# Altium PCB CM4 to FMC Adapter r2.0.PcbDoc (part 2 of 3)
Units mm, origin at the board's own origin, x right, y up, seen from the top; angles counter-clockwise.
Board outline 85 x 84 mm, 4 copper layers (Top Layer, Int1 (GND), Int2 (PWR), Bottom Layer), stack 1.564 mm thick; 141 components, 131 nets, 748 pads, 674 vias.
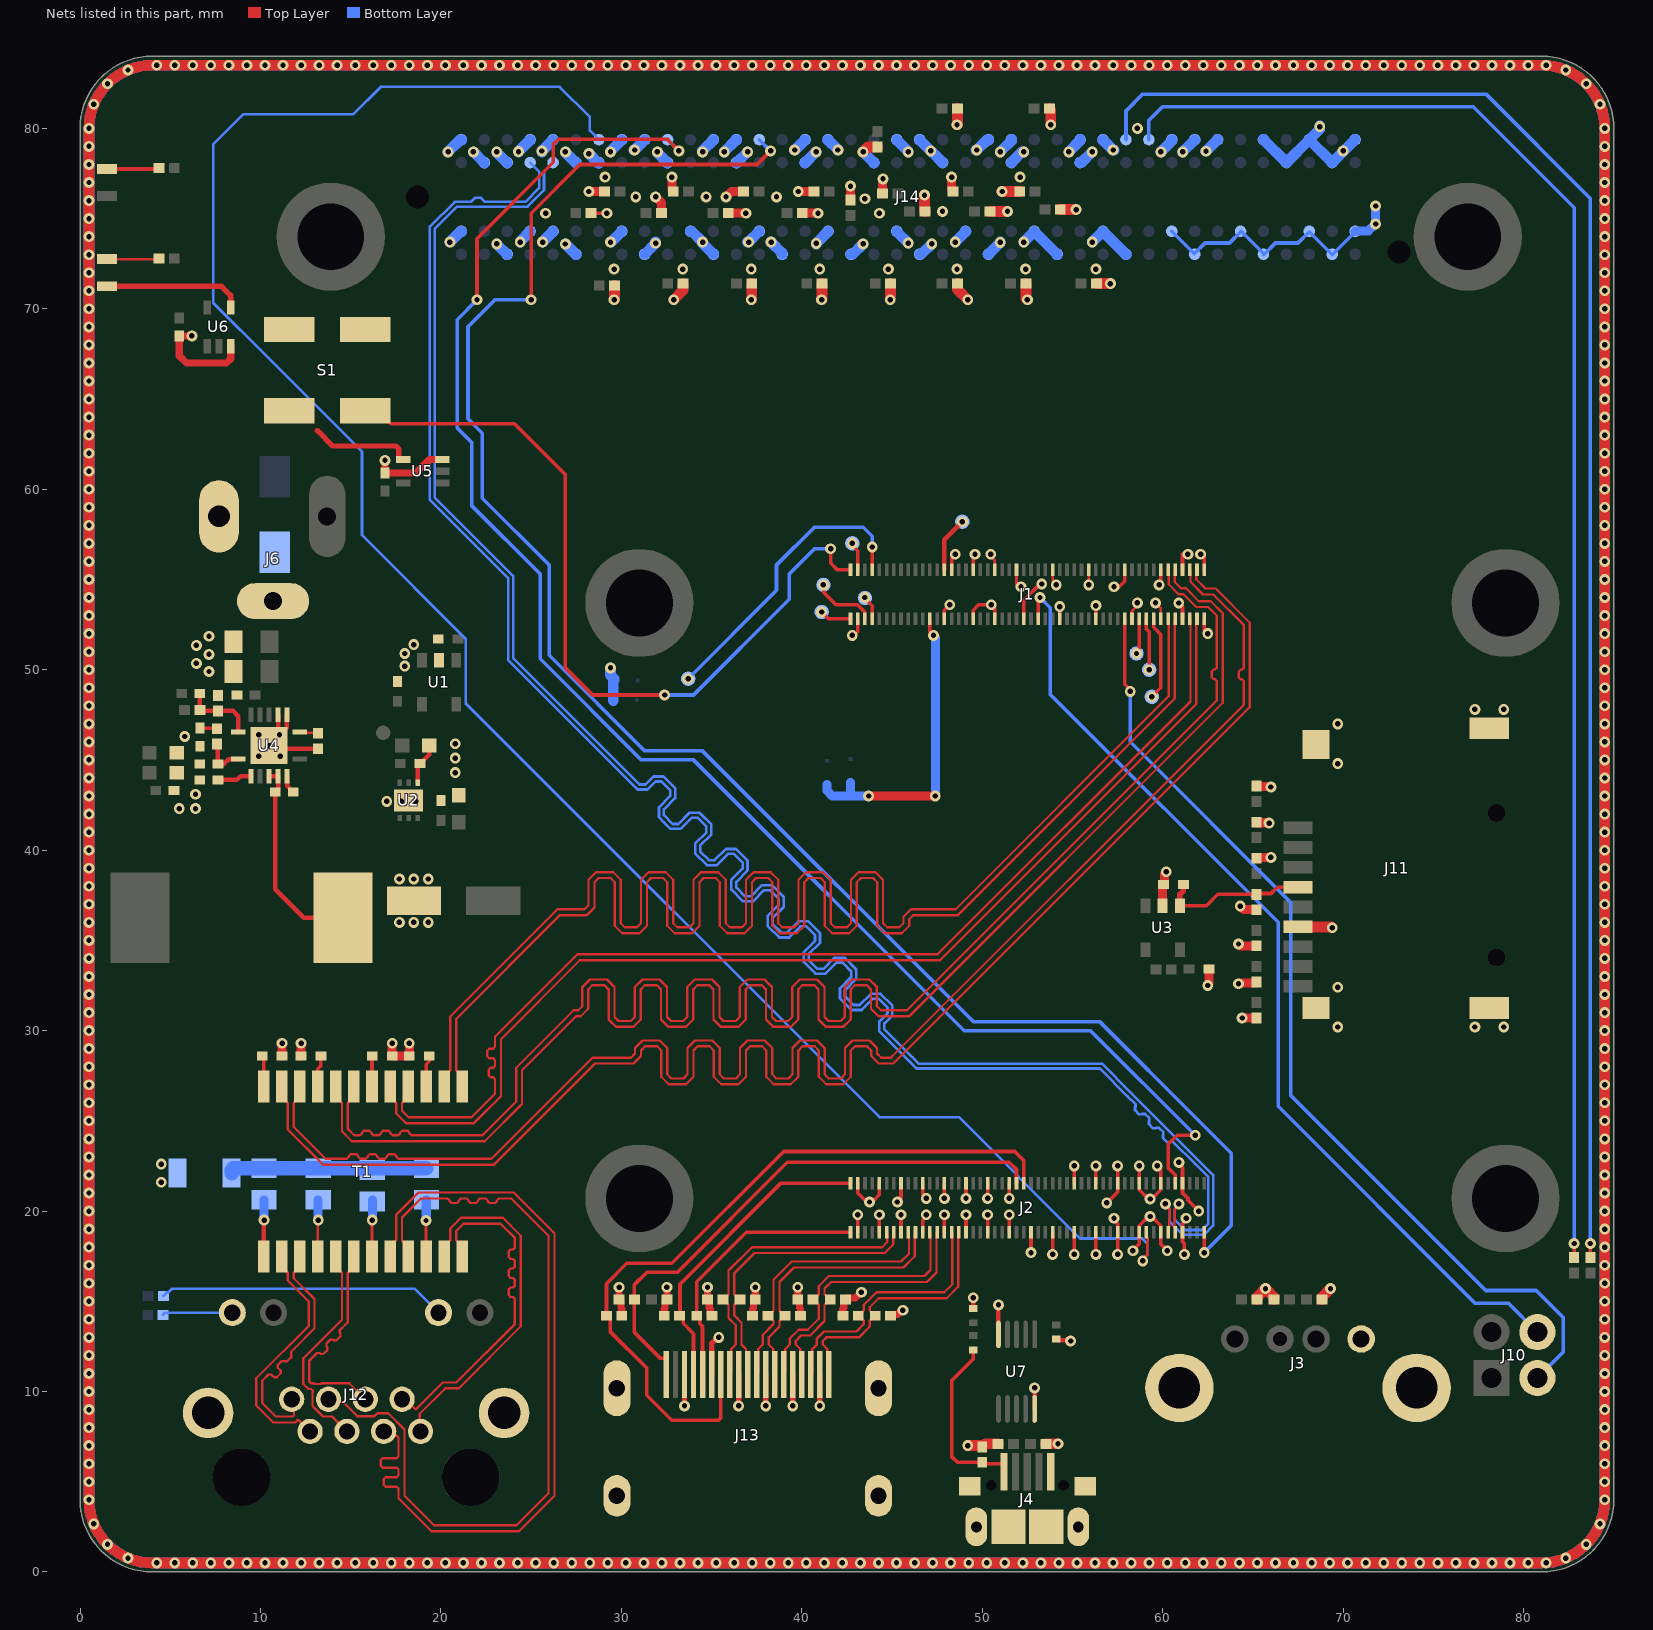
[diagram p4: the nets of this part, all layers, seen from the top]

## Via types
v1: diameter 0.6, hole 0.3, Top Layer to Bottom Layer, tented both sides, 673 vias
v2: diameter 0.6, hole 0.3, Top Layer to Bottom Layer, 1 vias

## Nets (pads, with @x,y where several pads share a name; then routed paths per layer and width w, separated by ;. In a path a pad name is that pad's centre, name@x,y a point inside that pad or via, vN(x,y) a via of type N, cw(c..) or ccw(c..) an arc to the next point about the centre after c; other vN are vias at no path point) (continued)
ETHERNET_PAIR0_C_N: J12.2 T1.12 | length 19.8
  Top Layer w0.127: J12.2@17.85,9.57 18.03,9.57 18.6,9 20.1,10.5 20.855,10.5 24.1,13.745 24.1,15.069 24.1,15.132 23.995,15.238 23.862,15.238 23.756,15.343 23.756,15.659 23.862,15.765 23.995,15.765 24.1,15.87 24.1,16.186 23.995,16.292 23.862,16.292 23.756,16.397 23.756,16.713 23.862,16.819 23.995,16.819 24.1,16.924 24.1,17.24 23.995,17.346 23.862,17.346 23.756,17.451 23.756,17.767 23.862,17.873 23.995,17.873 24.1,17.978 24.1,18.2 24.1,18.5 23.3,19.3 21.245,19.3 20.845,18.9 20.845,18.375 20.92,18.301 20.925,18.301 21.182,18.045 T1.12@21.182,17.475
ETHERNET_PAIR0_C_P: J12.1 T1.11 | length 19.9
  Top Layer w0.127: J12.1@18.87,7.79 18.831,7.829 18.831,8.769 20.235,10.173 20.99,10.173 24.427,13.61 24.427,18.635 23.435,19.627 21.11,19.627 20.518,19.035 20.518,18.375 20.444,18.301 20.438,18.301 20.182,18.045 T1.11@20.182,17.475
ETHERNET_PAIR0_N: J1.10 T1.13 | length 87.3
  Top Layer w0.127: T1.13@21.182,26.895 21.182,27.465 20.925,27.721 20.92,27.721 20.845,27.795 20.845,30.645 26.6,36.4 27.8,36.4 28.095,36.4 28.512,36.817 28.512,38.226 28.737,38.452 29.413,38.452 29.639,38.226 29.639,35.813 30.056,35.396 31.003,35.396 31.42,35.813 31.42,38.226 31.645,38.452 32.321,38.452 32.547,38.226 32.547,35.813 32.964,35.396 33.911,35.396 34.328,35.813 34.328,38.226 34.553,38.452 35.229,38.452 35.455,38.226 35.455,35.813 35.872,35.396 36.819,35.396 37.236,35.813 37.236,38.226 37.461,38.452 38.137,38.452 38.363,38.226 38.363,35.813 38.78,35.396 39.727,35.396 40.144,35.813 40.144,38.226 40.369,38.452 41.045,38.452 41.271,38.226 41.271,35.813 41.688,35.396 42.635,35.396 43.052,35.813 43.052,38.226 43.277,38.452 43.953,38.452 44.179,38.226 44.179,35.813 44.596,35.396 45.543,35.396 45.96,35.813 45.96,36.175 46.185,36.4 47.1,36.4 48.662,36.4 60.663,48.401 60.663,52.784 J1.10@60.7,52.82
ETHERNET_PAIR0_P: J1.12 T1.14 | length 87.3
  Top Layer w0.127: T1.14@20.182,26.895 20.182,27.465 20.438,27.721 20.444,27.721 20.518,27.795 20.518,30.781 26.465,36.727 27.8,36.727 27.959,36.727 28.185,36.952 28.185,38.362 28.602,38.779 29.549,38.779 29.966,38.362 29.966,35.948 30.191,35.723 30.867,35.723 31.093,35.948 31.093,38.362 31.51,38.779 32.457,38.779 32.874,38.362 32.874,35.948 33.099,35.723 33.775,35.723 34.001,35.948 34.001,38.362 34.418,38.779 35.365,38.779 35.782,38.362 35.782,35.948 36.007,35.723 36.683,35.723 36.909,35.948 36.909,38.362 37.326,38.779 38.273,38.779 38.69,38.362 38.69,35.948 38.915,35.723 39.591,35.723 39.817,35.948 39.817,38.362 40.234,38.779 41.181,38.779 41.598,38.362 41.598,35.948 41.823,35.723 42.499,35.723 42.725,35.948 42.725,38.362 43.142,38.779 44.089,38.779 44.506,38.362 44.506,35.948 44.731,35.723 45.407,35.723 45.633,35.948 45.633,36.31 46.05,36.727 47.1,36.727 48.527,36.727 60.336,48.536 60.336,52.784 J1.12@60.3,52.82
ETHERNET_PAIR1_C_N: J12.6 T1.9 | length 44.9
  Top Layer w0.127: J12.6@13.77,9.57 13.926,9.414 14.586,9.414 15.364,8.636 16.319,8.636 16.483,8.8 17.079,8.8 17.98,7.9 17.98,4.22 19.614,2.586 24.191,2.586 25.963,4.359 25.963,18.637 23.9,20.7 23.282,20.7 23.219,20.7 23.114,20.595 23.114,20.555 23.008,20.45 22.692,20.45 22.587,20.555 22.587,20.595 22.481,20.7 22.165,20.7 22.06,20.595 22.06,20.555 21.954,20.45 21.638,20.45 21.533,20.555 21.533,20.595 21.427,20.7 21.111,20.7 21.006,20.595 21.006,20.555 20.9,20.45 20.584,20.45 20.479,20.555 20.479,20.595 20.373,20.7 19.5,20.7 18.9,20.7 17.845,19.645 17.845,18.375 17.92,18.301 17.925,18.301 18.182,18.045 T1.9@18.182,17.475
ETHERNET_PAIR1_C_P: J12.3 T1.8 | length 44.9
  Top Layer w0.127: J12.3@16.83,7.79 17.074,7.546 17.564,7.546 17.653,7.458 17.653,7 17.653,6.409 17.547,6.304 16.771,6.304 16.665,6.199 16.665,5.882 16.771,5.777 17.547,5.777 17.653,5.672 17.653,5.355 17.547,5.25 16.938,5.25 16.833,5.145 16.833,4.828 16.938,4.723 17.547,4.723 17.653,4.618 17.653,4.421 17.653,4.085 19.478,2.259 24.326,2.259 26.29,4.224 26.29,18.772 24.035,21.027 18.765,21.027 17.518,19.781 17.518,18.375 17.444,18.301 17.438,18.301 17.182,18.045 T1.8@17.182,17.475
ETHERNET_PAIR1_N: J1.6 T1.16 | length 62.4
  Top Layer w0.127: T1.16@18.182,26.895 18.182,26.325 17.925,26.068 17.92,26.068 17.845,25.994 17.845,25.555 18.2,25.2 21.7,25.2 23,26.5 23,26.675 23,27.308 22.895,27.414 22.753,27.414 22.647,27.519 22.647,27.835 22.753,27.941 22.895,27.941 23,28.046 23,28.362 22.895,28.468 22.669,28.468 22.564,28.573 22.564,28.889 22.669,28.995 22.895,28.995 23,29.1 23,29.662 23.028,29.691 27.565,34.227 47.527,34.227 61.536,48.236 61.536,52.784 J1.6@61.5,52.82
ETHERNET_PAIR1_P: J1.4 T1.17 | length 62.4
  Top Layer w0.127: T1.17@17.182,26.895 17.182,26.325 17.438,26.068 17.444,26.068 17.518,25.994 17.518,25.419 17.969,24.969 18.065,24.873 21.835,24.873 23.327,26.365 23.327,29.527 27.7,33.9 47.662,33.9 61.863,48.101 61.863,52.461 61.863,52.784 J1.4@61.9,52.82
ETHERNET_PAIR2_C_N: J12.5 T1.5 | length 12.1
  Top Layer w0.127: T1.5@14.182,17.475 14.182,16.905 14.438,16.648 14.444,16.648 14.518,16.574 14.518,13.981 12.373,11.835 12.373,10.419 12.659,10.134 12.82,10.134 12.895,10.059 12.895,9.954 12.879,9.939 12.879,9.201 13.463,8.617 13.963,8.617 J12.5@14.79,7.79
ETHERNET_PAIR2_C_P: J12.4 T1.6 | length 12.1
  Top Layer w0.127: T1.6@15.182,17.475 15.182,16.905 14.925,16.648 14.92,16.648 14.845,16.574 14.845,13.845 14.7,13.7 14.402,13.402 14.402,13.253 14.44,13.214 14.44,13.065 14.217,12.842 14.068,12.842 14.029,12.88 13.88,12.88 13.656,12.656 13.656,12.507 13.709,12.455 13.709,12.306 13.485,12.082 13.336,12.082 13.284,12.135 13.135,12.135 12.717,11.717 12.7,11.7 12.7,10.555 12.794,10.46 12.956,10.46 12.999,10.417 13.358,10.417 13.401,10.46 14.92,10.46 J12.4@15.81,9.57
ETHERNET_PAIR2_N: J1.9 T1.20 | length 93.8
  Top Layer w0.127: T1.20@14.182,26.895 14.182,26.325 14.438,26.068 14.444,26.068 14.518,25.994 14.518,24.419 15.065,23.873 22.435,23.873 24.5,25.938 24.5,27.8 27.451,30.751 27.5,30.8 27.75,30.8 28.167,31.217 28.167,32.285 28.393,32.511 29.069,32.511 29.294,32.285 29.294,30.623 29.711,30.206 30.658,30.206 31.075,30.623 31.075,32.285 31.301,32.511 31.977,32.511 32.202,32.285 32.202,30.623 32.619,30.206 33.566,30.206 33.983,30.623 33.983,32.285 34.209,32.511 34.885,32.511 35.11,32.285 35.11,30.623 35.527,30.206 36.474,30.206 36.891,30.623 36.891,32.285 37.117,32.511 37.793,32.511 38.018,32.285 38.018,30.623 38.435,30.206 39.382,30.206 39.799,30.623 39.799,32.285 40.025,32.511 40.701,32.511 40.926,32.285 40.926,30.623 41.343,30.206 42.29,30.206 42.707,30.623 42.707,32.285 42.933,32.511 43.609,32.511 43.834,32.285 43.834,31.217 44.251,30.8 45.962,30.8 46,30.838 63.327,48.165 63.327,53.135 63.231,53.231 62.662,53.8 62,53.8 61.287,54.513 61.018,54.513 60.663,54.867 60.663,55.514 J1.9@60.7,55.55
ETHERNET_PAIR2_P: J1.11 T1.19 | length 93.8
  Top Layer w0.127: T1.19@15.182,26.895 15.182,26.325 14.925,26.068 14.92,26.068 14.845,25.994 14.845,24.555 15.2,24.2 15.364,24.2 15.52,24.2 15.626,24.305 15.626,24.345 15.731,24.45 16.047,24.45 16.153,24.345 16.153,24.305 16.258,24.2 16.574,24.2 16.68,24.305 16.68,24.345 16.785,24.45 17.101,24.45 17.207,24.345 17.207,24.305 17.312,24.2 17.628,24.2 17.734,24.305 17.734,24.345 17.839,24.45 18.155,24.45 18.261,24.345 18.261,24.305 18.366,24.2 18.957,24.2 22.3,24.2 24.173,26.073 24.173,27.935 27.365,31.127 27.451,31.127 27.615,31.127 27.84,31.352 27.84,32.421 28.257,32.838 29.204,32.838 29.621,32.421 29.621,30.758 29.847,30.533 30.523,30.533 30.748,30.758 30.748,32.421 31.165,32.838 32.112,32.838 32.529,32.421 32.529,30.758 32.755,30.533 33.431,30.533 33.656,30.758 33.656,32.421 34.073,32.838 35.02,32.838 35.437,32.421 35.437,30.758 35.663,30.533 36.339,30.533 36.564,30.758 36.564,32.421 36.981,32.838 37.928,32.838 38.345,32.421 38.345,30.758 38.571,30.533 39.247,30.533 39.472,30.758 39.472,32.421 39.889,32.838 40.836,32.838 41.253,32.421 41.253,30.758 41.479,30.533 42.155,30.533 42.38,30.758 42.38,32.421 42.797,32.838 43.744,32.838 44.161,32.421 44.161,31.352 44.387,31.127 45.827,31.127 46,31.3 63,48.3 63,49.312 63,49.376 62.895,49.481 62.82,49.481 62.714,49.586 62.714,49.903 62.82,50.008 62.895,50.008 63,50.113 63,51 63,53 62.527,53.473 61.865,53.473 61.469,53.869 61.152,54.186 60.883,54.186 60.336,54.732 60.336,55.514 J1.11@60.3,55.55
ETHERNET_PAIR3_C_N: J12.8 T1.3 | length 13.8
  Top Layer w0.127: J12.8@11.73,9.57 11.861,9.439 11.861,8.687 11.786,8.613 10.849,8.613 10.1,9.362 10.1,10.45 10.1,10.6 10.443,10.943 10.592,10.943 10.749,10.785 10.898,10.785 11.121,11.009 11.121,11.158 10.964,11.315 10.964,11.464 11.188,11.688 11.337,11.688 11.341,11.684 11.49,11.684 11.714,11.907 11.714,12.056 11.71,12.06 11.71,12.21 11.9,12.4 13,13.5 13,15.127 11.845,16.282 11.845,16.574 11.92,16.648 11.925,16.648 12.182,16.905 T1.3@12.182,17.475
ETHERNET_PAIR3_C_P: J12.7 T1.2 | length 13.7
  Top Layer w0.127: T1.2@11.182,17.475 11.182,16.905 11.438,16.648 11.444,16.648 11.518,16.574 11.518,16.146 12.673,14.992 12.673,13.635 9.773,10.735 9.773,9.227 10.714,8.286 11.922,8.286 12.035,8.4 12.14,8.4 J12.7@12.75,7.79
ETHERNET_PAIR3_N: J1.5 T1.22 | length 91.3
  Top Layer w0.127: T1.22@12.182,26.895 12.182,26.325 11.925,26.068 11.92,26.068 11.845,25.994 11.845,24.655 13.6,22.9 14.2,22.9 14.792,22.9 14.898,23.005 14.898,23.045 15.003,23.15 15.319,23.15 15.425,23.045 15.425,23.005 15.53,22.9 15.846,22.9 15.952,23.005 15.952,23.045 16.057,23.15 16.373,23.15 16.479,23.045 16.479,23.005 16.584,22.9 16.9,22.9 17.006,23.005 17.006,23.045 17.111,23.15 17.427,23.15 17.533,23.045 17.533,23.005 17.638,22.9 18.228,22.9 22.8,22.9 28.4,28.5 30.375,28.5 30.534,28.5 30.76,28.725 30.76,29.039 31.177,29.456 32.124,29.456 32.541,29.039 32.541,27.577 32.766,27.352 33.442,27.352 33.668,27.577 33.668,29.039 34.085,29.456 35.032,29.456 35.449,29.039 35.449,27.577 35.674,27.352 36.35,27.352 36.576,27.577 36.576,29.039 36.993,29.456 37.94,29.456 38.357,29.039 38.357,27.577 38.582,27.352 39.258,27.352 39.484,27.577 39.484,29.039 39.901,29.456 40.848,29.456 41.265,29.039 41.265,27.577 41.49,27.352 42.166,27.352 42.392,27.577 42.392,29.039 42.809,29.456 43.756,29.456 44.173,29.039 44.173,28.725 44.398,28.5 44.938,28.5 45.014,28.576 64.5,48.062 64.5,49.3 64.5,49.364 64.395,49.469 64.32,49.469 64.214,49.574 64.214,49.891 64.32,49.996 64.395,49.996 64.5,50.101 64.5,52 64.5,52.473 62.8,54.173 62.237,54.173 61.536,54.874 61.536,55.514 J1.5@61.5,55.55
ETHERNET_PAIR3_P: J1.3 T1.23 | length 91.3
  Top Layer w0.127: T1.23@11.182,26.895 11.182,26.325 11.438,26.068 11.444,26.068 11.518,25.994 11.518,24.519 13.465,22.573 22.935,22.573 28.535,28.173 30.375,28.173 30.67,28.173 31.087,28.59 31.087,28.903 31.312,29.129 31.988,29.129 32.214,28.903 32.214,27.442 32.631,27.025 33.578,27.025 33.995,27.442 33.995,28.903 34.22,29.129 34.896,29.129 35.122,28.903 35.122,27.442 35.539,27.025 36.486,27.025 36.903,27.442 36.903,28.903 37.128,29.129 37.804,29.129 38.03,28.903 38.03,27.442 38.447,27.025 39.394,27.025 39.811,27.442 39.811,28.903 40.036,29.129 40.712,29.129 40.938,28.903 40.938,27.442 41.355,27.025 42.302,27.025 42.719,27.442 42.719,28.903 42.944,29.129 43.62,29.129 43.846,28.903 43.846,28.59 44.263,28.173 45.014,28.173 45.073,28.173 64.827,47.927 64.827,52.608 62.935,54.5 62.373,54.5 61.863,55.01 61.863,55.191 61.863,55.514 J1.3@61.9,55.55
GLOBAL_EN: J1.99 S1.3 S1.4 | length 44.8
  Top Layer w0.2: S1.4@15.8,64.35 16.5,64.35 17.1,63.75 17.1,63.742 17.217,63.625 24.075,63.625 26.9,60.8 26.9,50.1 28.4,48.6 v1(32.4,48.6) ; v1(41.6,56.7) 41.6,55.9 41.95,55.55 J1.99@42.7,55.55
  Bottom Layer w0.2: v1(32.4,48.6) 34,48.6 39.3,53.9 39.3,55.3 40.7,56.7 v1(41.6,56.7)
GND: C1.2 C2.1 C3.1 C4.1 C5.1 C6.1 C7.1 C8.2 C9.2 C10.2 C11.1 C12.1 C14.1 C16.2 C17.1 C18.1 C19.2 C20.2 C21.2 C22.2 C23.1 C24.2 C25.1 C26.1 C27.1 C28.2 D2.2 D3.2 D4.2 D5.2 D6.2 D7.2 D8.2 D9.2 D10.2 D11.2 D12.1 D13.2 D14.2 D15.2 D16.2 D17.2 D18.2 D19.2 D20.2 D22.2 D23.2 D24.2 D25.2 D26.2 D27.2 D28.2 D29.2 D30.2 D31.2 D32.2 D33.2 D34.2 D35.2 D36.2 D37.2 D38.2 D39.2 D40.2 D41.2 D42.2 D43.2 D44.2 D45.2 D46.2 D47.2 D48.2 D49.2 D50.2 D51.2 D52.2 D53.2 D54.2 D55.2 J1.1 J1.2 J1.7 J1.8 J1.13 J1.14 J1.22 J1.23 J1.32 J1.33 J1.42 J1.43 J1.52 J1.53 J1.59 J1.60 J1.65 J1.66 J1.71 J1.74 J1.98 J2.107 J2.108 J2.113 J2.114 J2.119 J2.120 J2.125 J2.126 J2.131 J2.132 J2.137 J2.138 J2.144 J2.150 J2.155 J2.156 J2.161 J2.162 J2.167 J2.168 J2.173 J2.174 J2.179 J2.180 J2.185 J2.186 J2.191 J2.192 J2.197 J2.198 J3.1 J3.2 J3.6 J4.5 J4.6 J4.7 J4.8 J4.9 J4.10 J4.11 J6.2 J6.3 J11.6 J11.10 J11.11 J11.12 J11.13 J12.SHD J13.2 J13.5 J13.8 J13.11 J13.14 J13.17 J13.MT J14.C1 J14.C4 J14.C5 J14.C8 J14.C9 J14.C12 J14.C13 J14.C16 J14.C17 J14.C20 J14.C21 J14.C24 J14.C25 J14.C28 J14.C29 J14.C32 J14.C33 J14.C34 J14.C36 J14.C38 J14.C40 J14.D2 J14.D3 J14.D6 J14.D7 J14.D10 J14.D13 J14.D16 J14.D19 J14.D22 J14.D25 J14.D28 J14.D37 J14.D39 J14.G1 J14.G4 J14.G5 J14.G8 J14.G11 J14.G14 J14.G17 J14.G20 J14.G23 J14.G26 J14.G29 J14.G32 J14.G35 J14.G38 J14.G40 J14.H3 J14.H6 J14.H9 J14.H12 J14.H15 J14.H18 J14.H21 J14.H24 J14.H27 J14.H30 J14.H33 J14.H36 J14.H39 R6.1 R8.1 R17.1 SJ2.2 SJ4.2 U1.2 U2.1 U2.7 U3.2 U4.2 U4.3 U4.Exp U5.3 U6.3 U7.5 U7.10 | length 1223.1
  Top Layer w0.15: U4.2@11.475,47.5 U4.2@11.479,47.496 ; v1@50.302,56.402 v1(50.47,56.402) 50.47,56.28 50.7,56.05 J1.59@50.7,55.55 ; v1@51.9,54.7 J1.53@51.9,55.55 ; J1.43@53.9,55.55 53.9,54.95 53.9,54.9 v1(54.1,54.7) ; v1(55.9,54.7) J1.33@55.9,55.55 ; J1.32@56.3,52.82 v2(56.3,53.55) v2@56.4,53.55 ; J1.22@58.3,52.82 58.3,53.25 58.6,53.55 v1(58.6,53.7) ; v1(59.6,53.7) 59.9,53.4 J1.14@59.9,52.82
  Top Layer w0.2: D33.2@28.325,75.3 v1(29.2,75.3) ; v1@42.9,51.9 43.1,52.1 J1.98@43.1,52.82 ; J2.198@43.1,18.82 v1(43.1,19.8) ; J2.197@43.1,21.55 43.1,21 43.6,20.5 v1(43.75,20.5) 43.9,20.5 44.3,20.9 J2.191@44.3,21.55 ; J2.192@44.3,18.82 v1(44.3,19.8) ; J2.186@45.5,18.82 v1(45.5,19.8) ; v1@45.5,20.7 J2.185@45.5,21.55 ; J2.180@46.7,18.82 46.7,19.492 46.9,19.692 v1(46.9,19.8) ; v1@46.7,20.9 J2.179@46.7,21.55 ; J1.74@47.9,52.82 47.9,53.3 v1(48.2,53.6) ; J2.174@47.9,18.82 v1(47.9,19.8) ; v1@47.9,20.8 J2.173@47.9,21.55 ; J1.71@48.3,55.55 48.3,56.2 v1(48.5,56.4) ; J2.168@49.1,18.82 v1(49.1,19.8) ; v1(49.1,20.7) J2.167@49.1,21.55 ; J1.66@49.5,52.82 49.5,53.3 49.797,53.597 v1@50.425,53.597 ; J1.65@49.5,55.55 49.5,56.3 v1(49.6,56.4) ; J2.162@50.3,18.82 v1(50.3,19.8) ; J2.161@50.3,21.55 50.3,20.75 v1@50.35,20.7 ; v1(50.5,53.6) 50.7,53.4 J1.60@50.7,52.82 ; J2.156@51.5,18.82 v1(51.5,19.8) ; v1(51.5,20.7) J2.155@51.5,21.55 ; J1.52@52.3,52.82 52.3,53.845 53.205,54.75 v1(53.3,54.75) ; v1(52.7,17.7) J2.150@52.7,18.82 ; v1(53.9,17.6) J2.144@53.9,18.82 ; v1@54.228,53.572 v1(54.3,53.5) J1.42@54.3,52.82 ; v1@55.1,17.7 J2.138@55.1,18.82 ; J2.137@55.1,21.55 v1(55.1,22.5) ; v1(56.3,17.6) J2.132@56.3,18.82 ; J2.131@56.3,21.55 v1(56.3,22.5) ; v1(56.9,20.45) 57.5,21.05 J2.125@57.5,21.55 v1(57.5,22.5) ; v1(57.3,19.6) 57.3,19.492 57.5,19.292 J2.126@57.5,18.82 v1(57.5,17.6) ; v1(57.3,54.6) 57.6,54.6 57.9,54.9 J1.23@57.9,55.55 ; v1(58.35,17.8) 58.35,17.82 58.7,18.17 J2.120@58.7,18.82 58.7,19.191 59.209,19.7 v1(59.3,19.7) 59.391,19.7 59.9,19.191 J2.114@59.9,18.82 59.9,18.17 60.25,17.82 v1(60.25,17.8) ; 58.7,21.179 v1@59.209,20.67 ; J2.119@58.7,21.55 v1(58.7,22.5) ; v1@59.391,20.67 59.9,21.179 J2.113@59.9,21.55 59.9,22.3 v1(59.7,22.5) ; v1(59.8,54.7) 59.9,54.8 J1.13@59.9,55.55 ; v1(60.895,53.695) 60.905,53.695 61.1,53.5 J1.8@61.1,52.82 ; v1(60.9,22.7) 60.9,22.592 61.1,22.392 J2.107@61.1,21.55 61.1,21 61.4,20.7 61.4,20.6 v1(62,20) ; J1.7@61.1,55.55 61.1,56.4 ; v1(61.2,17.6) 61.2,18.2 61.1,18.3 J2.108@61.1,18.82 61.1,19.292 v1@61.3,19.492 ; v1@62.3,52.1 J1.2@62.3,52.82 ; J1.1@62.3,55.55 v1@62.3,56.35
  Top Layer w0.25: U4.3@10.979,47.496 U4.Exp@10.979,46.296 ; U4.2@11.479,47.496 11.464,47.481 11.464,46.781 U4.Exp@10.979,46.296 ; R6.1@13.2,45.625 10.65,45.625 v1(10.479,45.796) U4.Exp@10.979,46.296 ; U2.1@18.709,43.731 18.709,44.659 C3.1@18.85,44.8 19.35,45.3 C26.1@19.35,45.8 ; R17.1@49.5,14.6 v1(49.5,15.2) ; U7.5@50.9,13.167 v1(50.9,14.8) ; U7.10@52.9,9.033 v1(52.9,10.2) ; C28.2@54.119,12.905 54.174,12.85 54.85,12.85 v1(54.9,12.8)
  Top Layer w0.3: v1(33.5,9.2) J13.17@33.5,10.95 ; J13.14@35,10.95 35,12.673 35.327,13 v1(35.4,13) ; v1(36.5,9.2) J13.11@36.5,10.95 ; v1(38,9.2) J13.8@38,10.95 ; v1(39.5,9.2) J13.5@39.5,10.95 ; v1(41,9.2) J13.2@41,10.95
  Top Layer w0.4: v1(6.2,68.5) C23.1@5.5,68.5 5.5,67.4 5.9,67 8.116,67 8.35,67.234 U6.3@8.35,67.925 ; v1(16.9,61.6) C11.1@16.9,60.9 18.6,60.9 19.35,61.65 U5.3@20.075,61.65 ; D18.2@29.875,15.1 v1(29.875,15.775) ; D18.2@29.975,15.025 29.975,14.625 30.025,14.575 30.025,14.275 30.1,14.2 D10.2@30.125,14.2 ; D11.2@32.275,14.2 32.3,14.2 32.375,14.275 32.375,14.575 32.425,14.625 D12.1@32.425,15.025 ; D12.1@32.525,15.1 v1(32.525,15.775) ; D50.2@34.775,15.1 v1(34.775,15.775) ; D50.2@34.875,15.025 34.875,14.625 34.925,14.575 34.925,14.275 35,14.2 D49.2@35.025,14.2 ; D4.2@37.175,14.2 37.2,14.2 37.275,14.275 37.275,14.575 37.325,14.625 D51.2@37.325,15.025 ; D51.2@37.425,15.1 v1(37.425,15.775) ; D6.2@39.775,15.1 v1(39.775,15.775) ; D6.2@39.875,15.025 39.875,14.625 39.925,14.575 39.925,14.275 40,14.2 D5.2@40.025,14.2 ; D8.2@42.175,14.2 42.2,14.2 42.275,14.275 42.275,14.575 42.325,14.625 D7.2@42.325,15.025 ; D7.2@42.425,15.1 42.45,15.1 42.525,15.175 42.966,15.175 43.291,15.5 v1(43.3,15.5) ; D9.2@44.925,14.2 44.95,14.2 45.025,14.275 45.321,14.275 45.546,14.5 v1(45.6,14.5)
  Top Layer w0.5: C7.1@11.2,28.6 v1(11.2,29.3) ; C6.1@12.25,28.6 v1(12.25,29.3) ; v1(17.3,29.3) C5.1@17.3,28.6 C4.1@18.25,28.6 v1(18.25,29.3) ; v1(28.2,76.5) D46.2@29.075,76.5 ; v1(31.9,76.2) 32.225,75.875 D40.2@32.225,75.3 ; v1(32.8,77.3) 32.8,76.575 D25.2@32.875,76.5 ; v1(35.8,76.2) 36.1,76.5 D36.2@36.775,76.5 ; D23.2@35.925,75.3 v1(36.9,75.3) ; v1(39.8,76.5) D42.2@40.675,76.5 ; D31.2@40.025,75.3 v1(40.9,75.3) ; D43.2@42.7,76.025 v1(42.7,76.8) ; D26.2@44.475,76.4 44.475,77.175 v1(44.5,77.2) ; v1(48.3,77.3) 48.3,76.575 D44.2@48.375,76.5 ; U3.2@60,36.925 60,38.05 C24.2@60.05,38.1 60.1,38.1 60.1,38.673 60.2,38.773 v1(60.2,38.8) ; v1(62.5,32.5) 62.5,32.527 62.56,32.587 C25.1@62.56,33.405 ; v1(64.2,32.6) 64.227,32.6 64.277,32.65 65.175,32.65 65.2,32.675 D3.2@65.2,32.7 ; v1(64.2,34.8) 64.3,34.7 D16.2@65.2,34.7 ; v1(64.3,36.9) 64.5,36.7 D15.2@65.2,36.7 ; v1(64.4,30.7) D13.2@65.2,30.7 ; D48.2@65.2,39.55 65.2,39.556 65.225,39.581 65.981,39.581 v1(66,39.6) ; D17.2@65.2,41.55 65.2,41.544 65.225,41.519 65.881,41.519 v1(65.9,41.5) ; D14.2@65.2,43.55 65.2,43.544 65.225,43.519 65.981,43.519 v1(66,43.5)
  Top Layer w0.6: v1@29.625,70.525 D27.2@29.625,71.3 ; v1(32.9,70.5) 33.425,71.025 D45.2@33.425,71.4 ; v1(34.25,83.5) v1(32.25,83.5) ; v1@37.225,70.525 D24.2@37.225,71.4 ; v1(38.25,83.5) v1(32.25,83.5) ; v1(41.1,70.5) 41.125,70.525 D41.2@41.125,71.4 ; v1(43.4,78.7) 43.675,78.975 D30.2@44.2,78.975 ; v1@44.925,70.725 D28.2@44.925,71.4 ; v1(46.25,0.5) v1(43.25,0.5) ; v1(46.25,83.5) v1(43.25,83.5) ; v1(46.8,76.3) 46.8,75.425 D29.2@46.825,75.4 ; v1(48.25,0.5) v1(43.25,0.5) ; v1(48.6,80.2) 48.625,80.225 D35.2@48.625,81.1 ; D32.2@48.625,71.4 48.625,71.075 v1(49.2,70.5) ; v1(49.2,7) 50.075,7 50.175,7.1 D53.2@50.875,7.1 ; v1(50.25,83.5) v1(43.25,83.5) ; D37.2@50.425,75.4 v1(51.4,75.4) ; v1(51.1,76.5) D47.2@52.075,76.5 ; v1(52.25,83.5) v1(43.25,83.5) ; D38.2@52.425,71.4 52.425,70.575 v1(52.5,70.5) ; D54.2@53.525,7.1 v1(54.2,7.1) ; D34.2@53.725,81.1 53.8,81.025 v1(53.8,80.2) ; v1(54.25,0.5) v1(43.25,0.5) ; D39.2@54.325,75.5 v1(55.2,75.5) ; v1(55.25,83.5) v1(43.25,83.5) ; D22.2@56.325,71.4 v1(57.1,71.4) ; v1(57.25,83.5) v1(43.25,83.5) ; v1(60.25,83.5) v1(43.25,83.5) ; D2.2@65.225,15.1 65.225,15.225 v1(65.7,15.7) 66.175,15.225 D20.2@66.175,15.1 ; J11.6@67.5,35.75 v1@69.35,35.75 ; D19.2@68.825,15.1 68.825,15.225 v1(69.3,15.7) ; v1(70.25,0.5) v1(68.25,0.5) ; v1(72.25,83.5) v1(68.25,83.5) ; v1(76.25,83.5) v1(68.25,83.5) ; v1(77.25,0.5) v1(68.25,0.5) ; v1(84.5,6) v1(84.5,4) ; v1(84.5,7) v1(84.5,4) ; v1(84.5,11) v1(84.5,4) ; v1(84.5,22) v1(84.5,17) v1(84.5,15) v1(84.5,4) ; v1(84.5,36) v1(84.5,33) ; v1(84.5,38) v1(84.5,33) ; v1(84.5,47) v1(84.5,43) ; v1(84.5,50) v1(84.5,43) ; v1(84.5,52) v1(84.5,43) ; v1(84.5,63) v1(84.5,60) ; v1(84.5,65) v1(84.5,60) ; v1(32.25,83.5) v1(30.25,83.5) v1(26.25,83.5) v1(22.25,83.5) v1(20.25,83.5) v1(17.25,83.5) v1(16.25,83.5) v1(15.25,83.5) v1(14.25,83.5) v1(13.25,83.5) v1(12.25,83.5) v1(11.25,83.5) v1(10.25,83.5) v1(8.25,83.5) v1(7.25,83.5) v1(6.25,83.5) v1(4.25,83.5) 4,83.5 ccw(c4,80) v1(0.5,80) v1(0.5,79) v1(0.5,78) v1(0.5,77) v1(0.5,76) v1(0.5,75) v1(0.5,74) v1(0.5,73) v1(0.5,72) v1(0.5,71) v1(0.5,70) v1(0.5,69) v1(0.5,68) v1(0.5,67) v1(0.5,66) v1(0.5,65) v1(0.5,64) v1(0.5,63) v1(0.5,62) v1(0.5,61) v1(0.5,60) v1(0.5,59) v1(0.5,58) v1(0.5,57) v1(0.5,56) v1(0.5,55) v1(0.5,54) v1(0.5,53) v1(0.5,52) v1(0.5,51) v1(0.5,50) v1(0.5,49) v1(0.5,48) v1(0.5,47) v1(0.5,46) v1(0.5,45) v1(0.5,44) v1(0.5,43) v1(0.5,42) v1(0.5,41) v1(0.5,40) v1(0.5,39) v1(0.5,38) v1(0.5,37) v1(0.5,36) v1(0.5,35) v1(0.5,34) v1(0.5,33) v1(0.5,32) v1(0.5,31) v1(0.5,30) v1(0.5,29) v1(0.5,28) v1(0.5,27) v1(0.5,26) v1(0.5,25) v1(0.5,24) v1(0.5,23) v1(0.5,22) v1(0.5,21) v1(0.5,20) v1(0.5,19) v1(0.5,18) v1(0.5,17) v1(0.5,16) v1(0.5,15) v1(0.5,14) v1(0.5,13) v1(0.5,12) v1(0.5,11) v1(0.5,10) v1(0.5,9) v1(0.5,8) v1(0.5,7) v1(0.5,6) v1(0.5,5) v1(0.5,4) ccw(c4,4) 4,0.5 v1(5.25,0.5) v1(7.25,0.5) v1(10.25,0.5) v1(12.25,0.5) v1(13.25,0.5) v1(16.25,0.5) v1(17.25,0.5) v1(18.25,0.5) v1(19.25,0.5) v1(20.25,0.5) v1(21.25,0.5) v1(22.25,0.5) v1(23.25,0.5) v1(24.25,0.5) v1(25.25,0.5) v1(26.25,0.5) v1(27.25,0.5) v1(28.25,0.5) v1(29.25,0.5) v1(30.25,0.5) v1(31.25,0.5) v1(32.25,0.5) v1(33.25,0.5) v1(34.25,0.5) v1(35.25,0.5) v1(36.25,0.5) v1(37.25,0.5) v1(38.25,0.5) v1(39.25,0.5) v1(40.25,0.5) v1(41.25,0.5) v1(42.25,0.5) v1(43.25,0.5) ; v1(32.25,83.5) v1(41.25,83.5) v1(42.25,83.5) v1(43.25,83.5) ; v1(43.25,0.5) v1(59.25,0.5) v1(61.25,0.5) v1(64.25,0.5) v1(67.25,0.5) v1(68.25,0.5) ; v1(43.25,83.5) v1(62.25,83.5) v1(66.25,83.5) v1(67.25,83.5) v1(68.25,83.5) ; v1(68.25,0.5) v1(79.25,0.5) 81,0.5 ccw(c81,4) v1(84.5,4) ; v1(68.25,83.5) v1(78.25,83.5) 81,83.5 cw(c81,80) v1(84.5,80) v1(84.5,77) v1(84.5,74) v1(84.5,70) v1(84.5,67) v1(84.5,60) ; v1(84.5,4) v1(84.5,24) v1(84.5,25) v1(84.5,30) v1(84.5,33) ; v1(84.5,33) v1(84.5,39) v1(84.5,43) ; v1(84.5,43) v1(84.5,54) v1(84.5,58) v1(84.5,60)